# Altium PCB ELRS Gemini TX.PcbDoc (part 1 of 2)
Units mm, origin at the board's own origin, x right, y up, seen from the top; angles counter-clockwise.
Board outline 80 x 100 mm, 4 copper layers (L1 - Top, L2 - GND, L3 - Power, L4 - Bottom), stack 1.591 mm thick; 125 components, 64 nets, 367 pads, 564 vias.
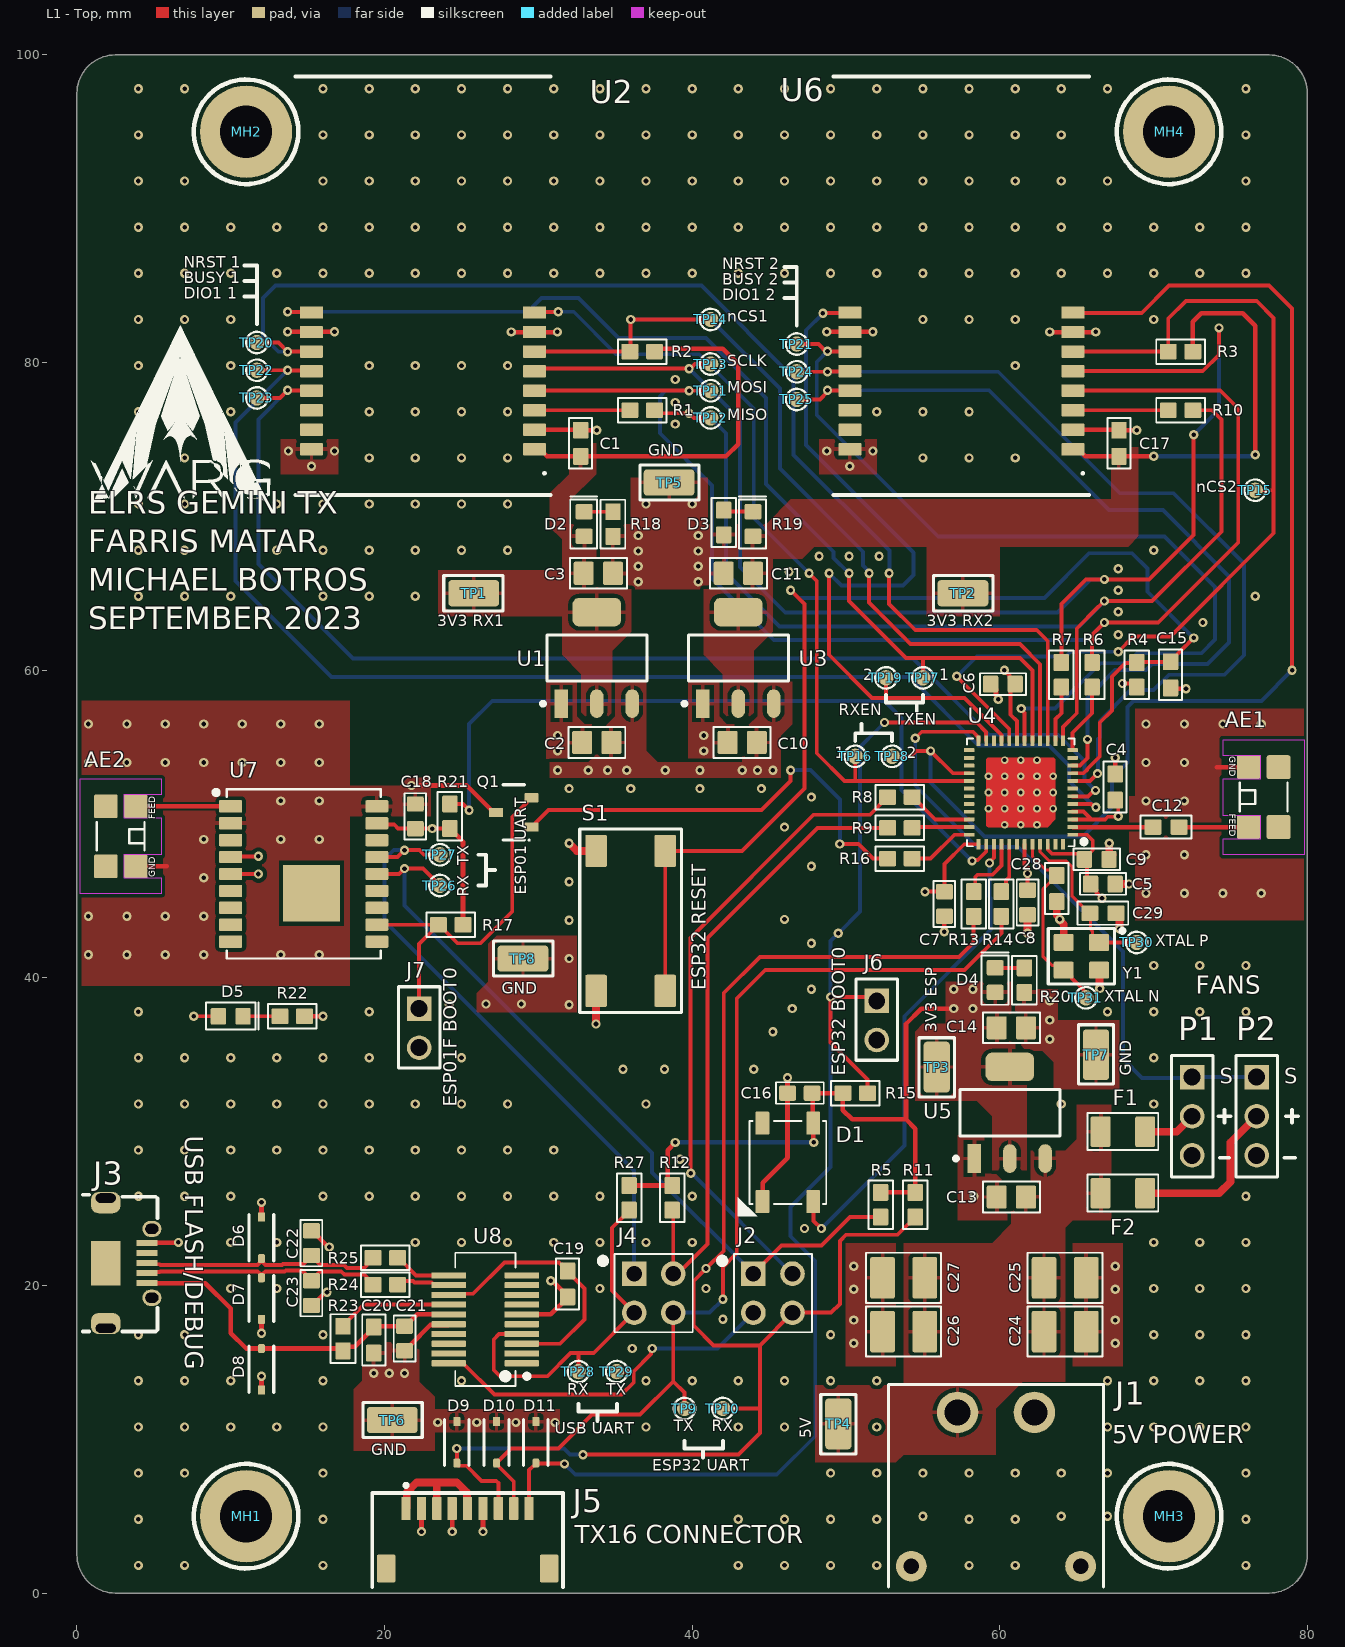
[diagram p0: L1 - Top view]
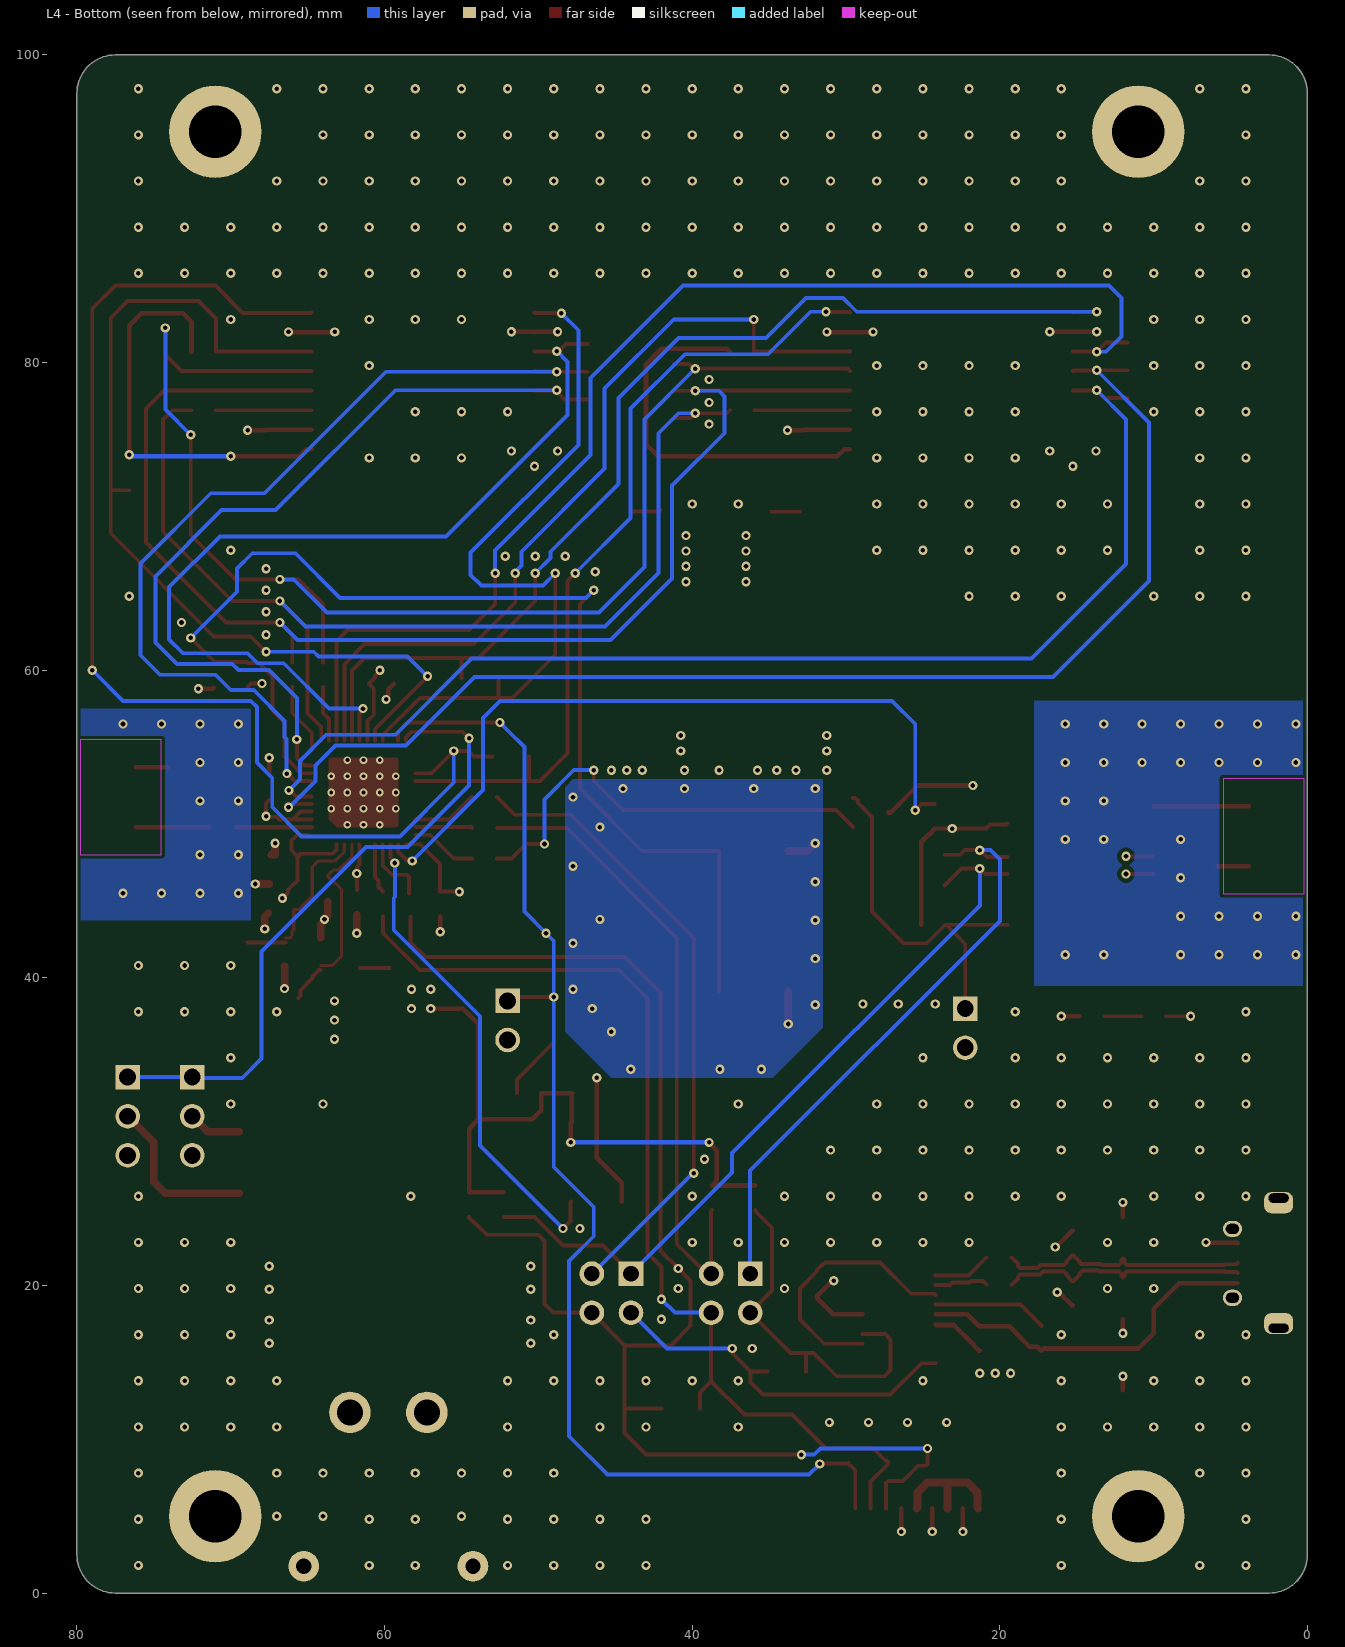
[diagram p1: L4 - Bottom view, seen from below]
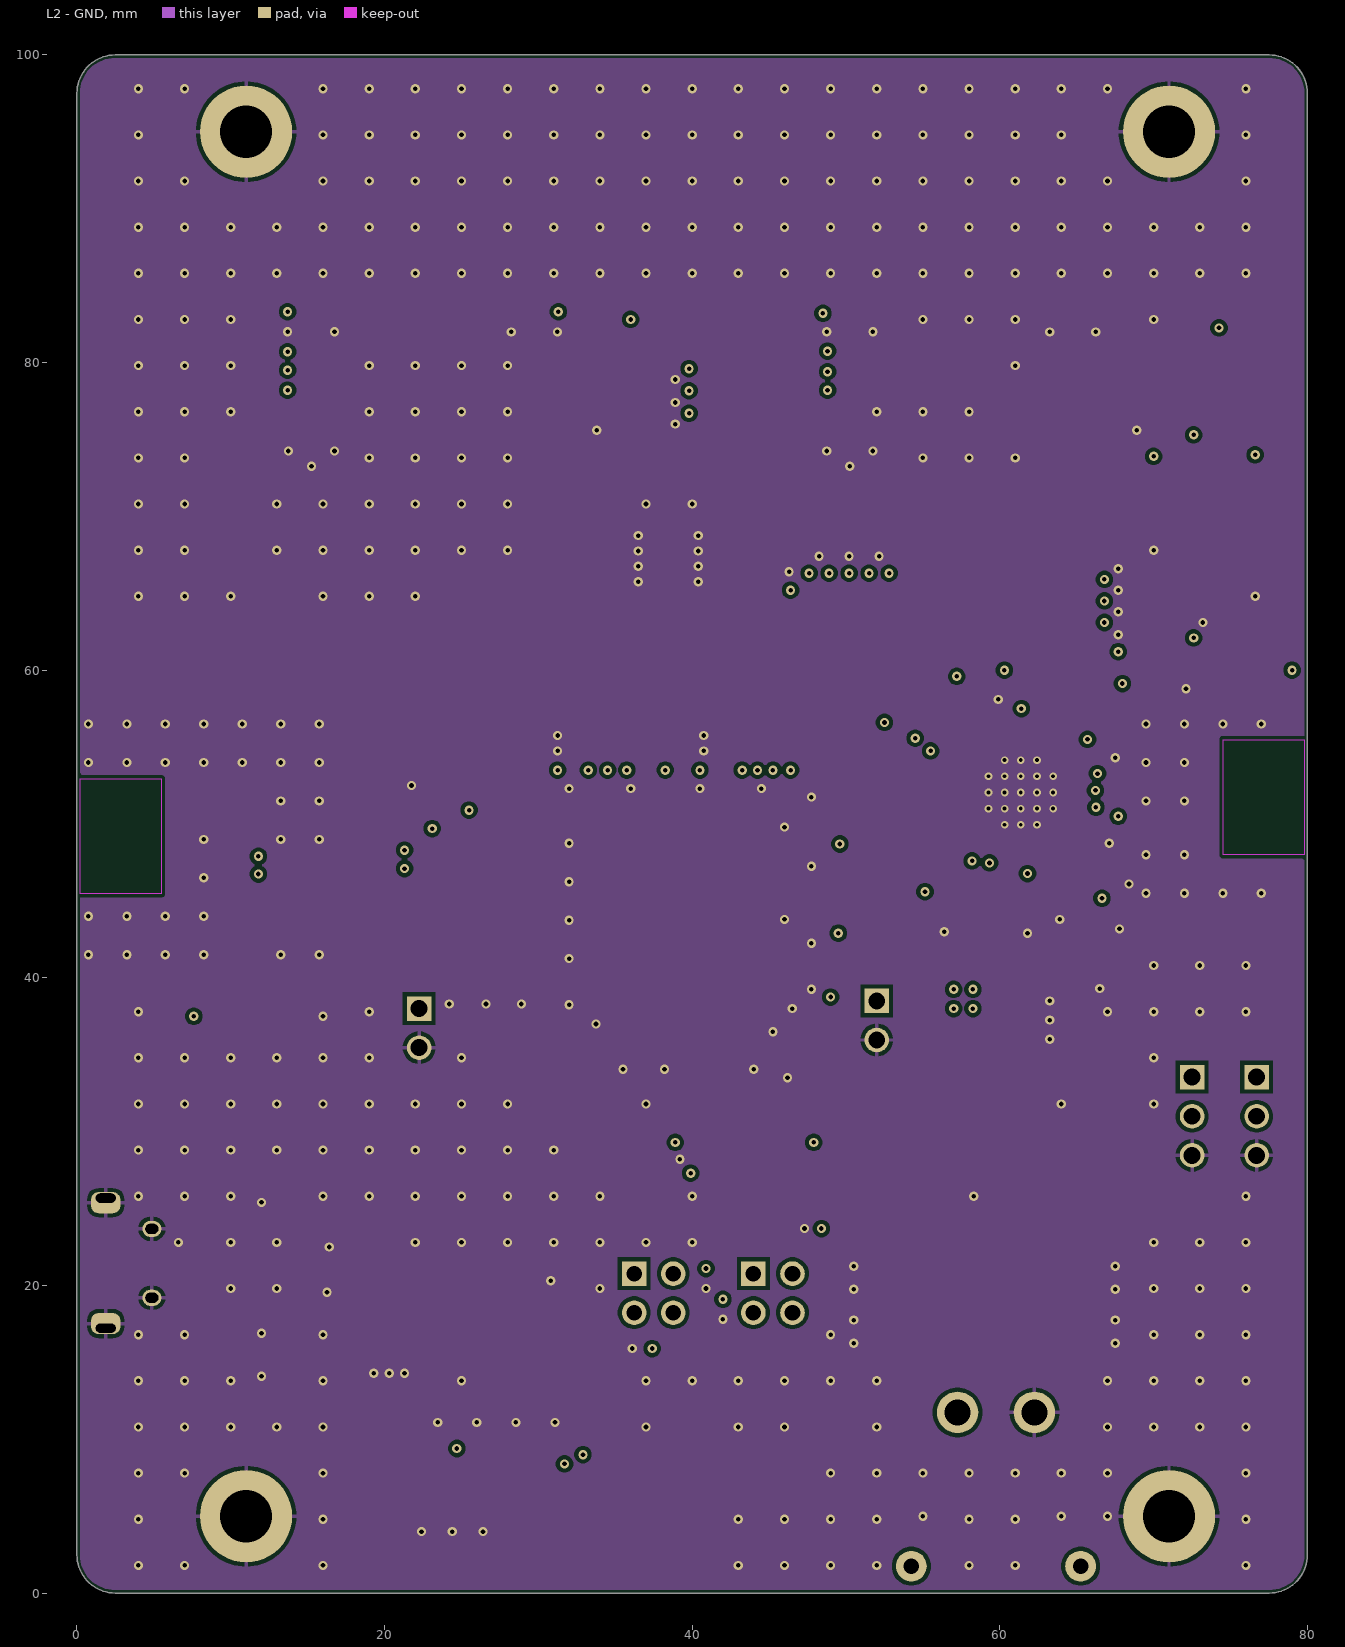
[diagram p2: L2 - GND]
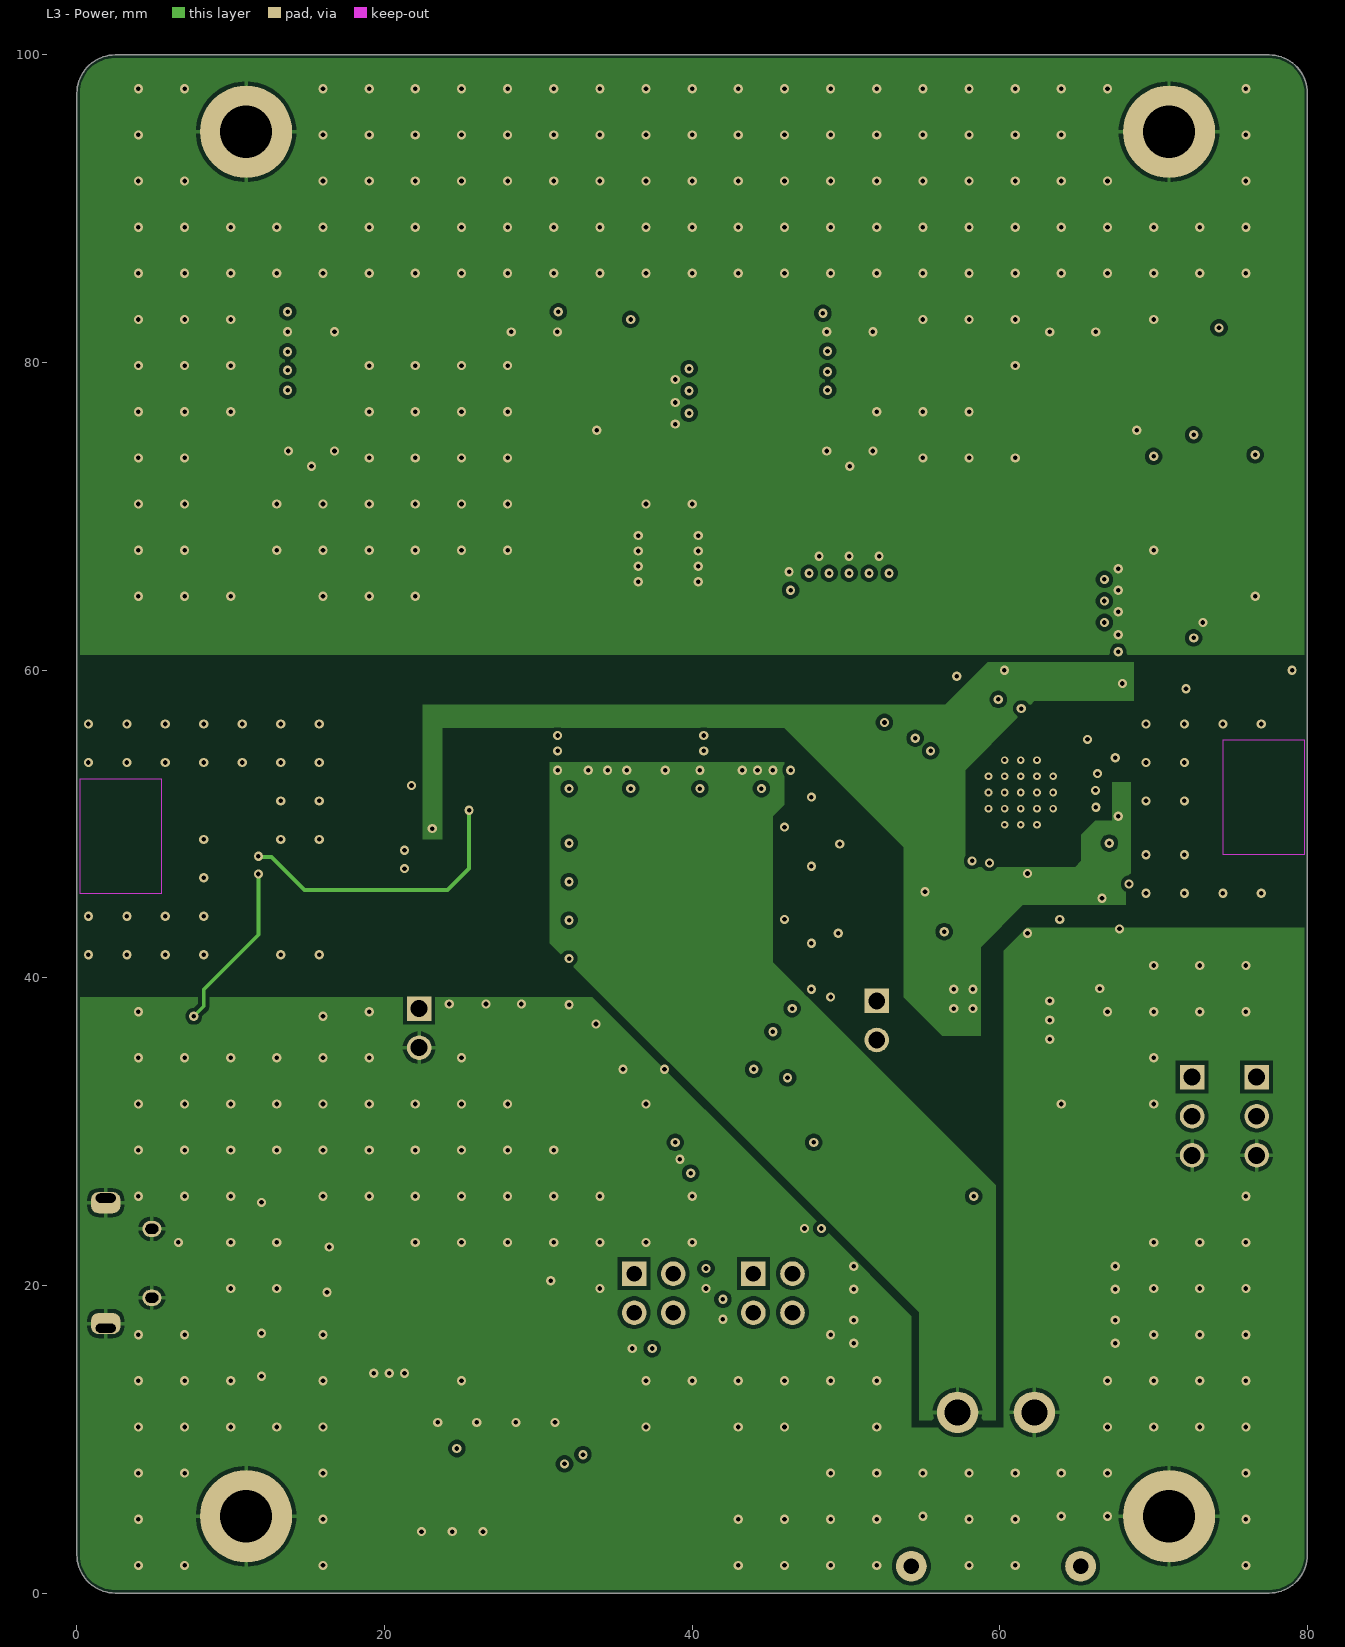
[diagram p3: L3 - Power]
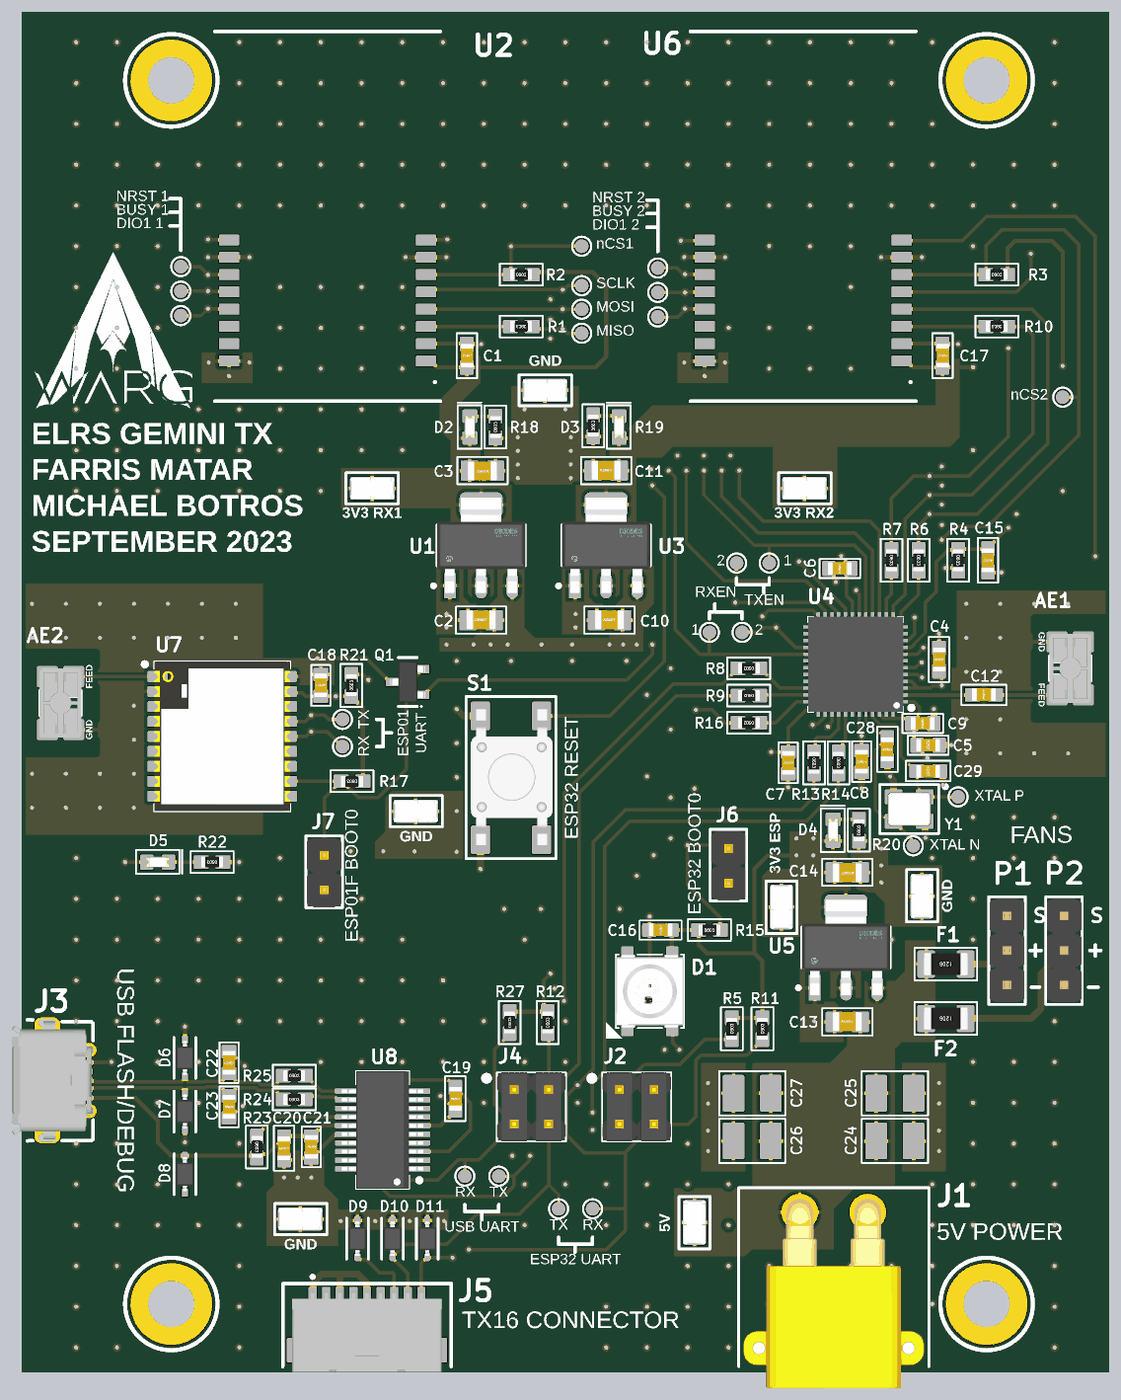
[diagram p5: 3D render of the assembled board from above, using the file's embedded part models]

## Layer stack, top to bottom
Top Solder: solder mask 0.0127, Solder Resist, Dk 3.8
L1 - Top: signal copper 0.035
Dielectric 1: prepreg 0.2104, 7628, Dk 4.6
L2 - GND: signal copper 0.0175
Core: core 1.065, FR-4, Dk 4.5
L3 - Power: signal copper 0.0175
Dielectric 2: prepreg 0.2104, 7628, Dk 4.6
L4 - Bottom: signal copper 0.035
Bottom Solder: solder mask 0.0127, Solder Resist, Dk 3.8

## Board outline
0,2.5 0,97.5 cw(c2.5,97.5) 2.5,100 77.5,100 cw(c77.5,97.5) 80,97.5 80,2.5 cw(c77.5,2.5) 77.5,0 2.5,0 cw(c2.5,2.5)

## Design rules (kind name [scope] priority, off if disabled: settings)
BoardOutlineClearance [All] p1: gap=0.2 ignorepadtopadclearanceinfootprint=FALSE
Clearance Clearance_RF [InNetClass('RF')] p1: gap=0.254 ignorepadtopadclearanceinfootprint=FALSE except(0.127: Arc-Arc Arc-Track Arc-SMDPad Track-Track Track-SMDPad SMDPad-SMDPad; 0.15: Arc-Fill Arc-Poly Arc-Region Track-Fill Track-Poly Track-Region; 0.33: Arc-THPad Track-THPad SMDPad-THPad; 0.5: THPad-THPad THPad-Via Via-Via)
Clearance Clearance_USB [WithinRoom('USB Connector') vs WithinRoom('USB Connector')] p2: gap=0.254 ignorepadtopadclearanceinfootprint=FALSE except(0.127: Arc-Arc Arc-Track Arc-SMDPad Track-Track Track-SMDPad SMDPad-SMDPad; 0.203: Arc-THPad Track-THPad SMDPad-THPad; 0.5: THPad-THPad THPad-Via Via-Via)
Clearance [All] p3: gap=0.254 ignorepadtopadclearanceinfootprint=FALSE except(0.127: Arc-Arc Arc-Track Arc-SMDPad Track-Track Track-SMDPad SMDPad-SMDPad; 0.33: Arc-THPad Track-THPad SMDPad-THPad; 0.5: THPad-THPad THPad-Via Via-Via)
ComponentClearance [All] p1: gap=0.102 collisioncheckmode=3 verticalgap=0.102 showdistances=TRUE
DiffPairsRouting [All] p1: maxlimit=0.159 minlimit=0.102 mostfreqgap=0.102 toplayer_mingap=0.159 toplayer_prefgap=0.15 toplayer_minwidth=0.254 toplayer_maxwidth=0.254 toplayer_prefwidth=0.254 impedanceprofiledriven=TRUE impedanceprofileid={905D22DF-2F88-4823-B5FB-46EE98BD3B5B} impedanceprofilevalue=90.000000 maxuncoupledlength=12.7
Height [All] p1: minheight=0 maxheight=1816.048 prefheight=12.7
HoleSize [All] p1: absolutevalues=TRUE maxlimit=6.3 minlimit=0.2 maxpercent=80.000 minpercent=20.000
HoleToHoleClearance [All] p1: gap=0.25 allowstackedmicrovias=FALSE
MinimumAnnularRing [All] p1: minimumring=0.076
MinimumSolderMaskSliver [All] p1: minsoldermaskwidth=0
PlaneClearance [All] p1: clearance=0.102
PolygonConnect [All] p1: thpad.connectstyle=Relief thpad.reliefconductorwidth=0.254 thpad.reliefentries=4 thpad.polygonreliefangle="90 Angle" thpad.airgapwidth=0.254 smdpad.connectstyle=Relief smdpad.reliefconductorwidth=0.254 smdpad.reliefentries=4 smdpad.polygonreliefangle="90 Angle" smdpad.airgapwidth=0.254 via.connectstyle=Direct via.reliefconductorwidth=0.127 via.reliefentries=4 via.polygonreliefangle="90 Angle" via.airgapwidth=0.127
RoomDefinition "USB Connector" [False] p1: confinementstyle=ConfineIn formatcopy=TRUE lockcomponents=FALSE outline 0.25,16 0.25,27 8.75,27 8.75,16
RoutingVias [All] p1: holewidth=0.2 width=0.45 viastyle="Through Hole" minholewidth=0.2 minwidth=0.45 maxholewidth=6.3 maxwidth=6.55
SilkToSilkClearance [All] p1: silktosilkclearance=0
SilkToSolderMaskClearance [IsPad] p1: minsilkscreentomaskgap=0.102 clearancetoexposedcopper=TRUE
SolderMaskExpansion [All] p1: expansion=0.075 istentingtop=FALSE
Width Width_RF [InNetClass('RF')] p1: maxlimit=0.289 minlimit=0.254 preferedwidth=0.254 toplayer_minwidth=0.289 toplayer_prefwidth=0.302 impedanceprofiledriven=TRUE impedanceprofileid={526F4D8D-3814-4A93-82D4-85502BCB1BDE} impedanceprofilevalue=50.000000 minimp=50.000000 maximp=50.000000 favimp=50.000000
Width [All] p2: maxlimit=1816.048 minlimit=0.203 preferedwidth=0.254
21 further rules are at their usual default settings.

## Classes and differential pairs
net class RF: ESP01F_ANT ESP32_ANT NetC12_1
component class Connectors: D9 D10 D11 F1 F2 J1 J5 MH1 MH2 MH3 MH4 P1 P2
net class USB: USB_N USB_P
component class "Power and Data": a AE1 AE2 C1 C2 C3 C4 C5 C6 C7 C8 C9 C10 C11 C12 C13 C14 C15 C16 C17 C18 C19 C20 C21 C22 C23 C24 C25 C26 C27 C28 C29 D1 D2 D3 D4 D5 D6 D7 D8 J2 J3 J4 J6 J7 Q1 R1 R2 R3 R4 R5 R6 R7 R8 R9 R10 R11 R12 R13 R14 R15 R16 R17 R18 R19 R20 R21 R22 R23 R24 R25 R27 S1 TP1 TP2 TP3 TP4 TP5 TP6 TP7 TP8 TP9 TP10 TP11 TP12 TP13 TP14 TP15 TP16 TP17 TP18 TP19 TP20 TP21 TP22 TP23 TP24 TP25 TP26 TP27 TP28 TP29 TP30 TP31 U1 U2 U3 U4 U5 U6 U7 U8 Y1
differential pair USB: +USB_P -USB_N
